# Altium PCB Main_PCB.PcbDoc (part 8 of 13) (continued)
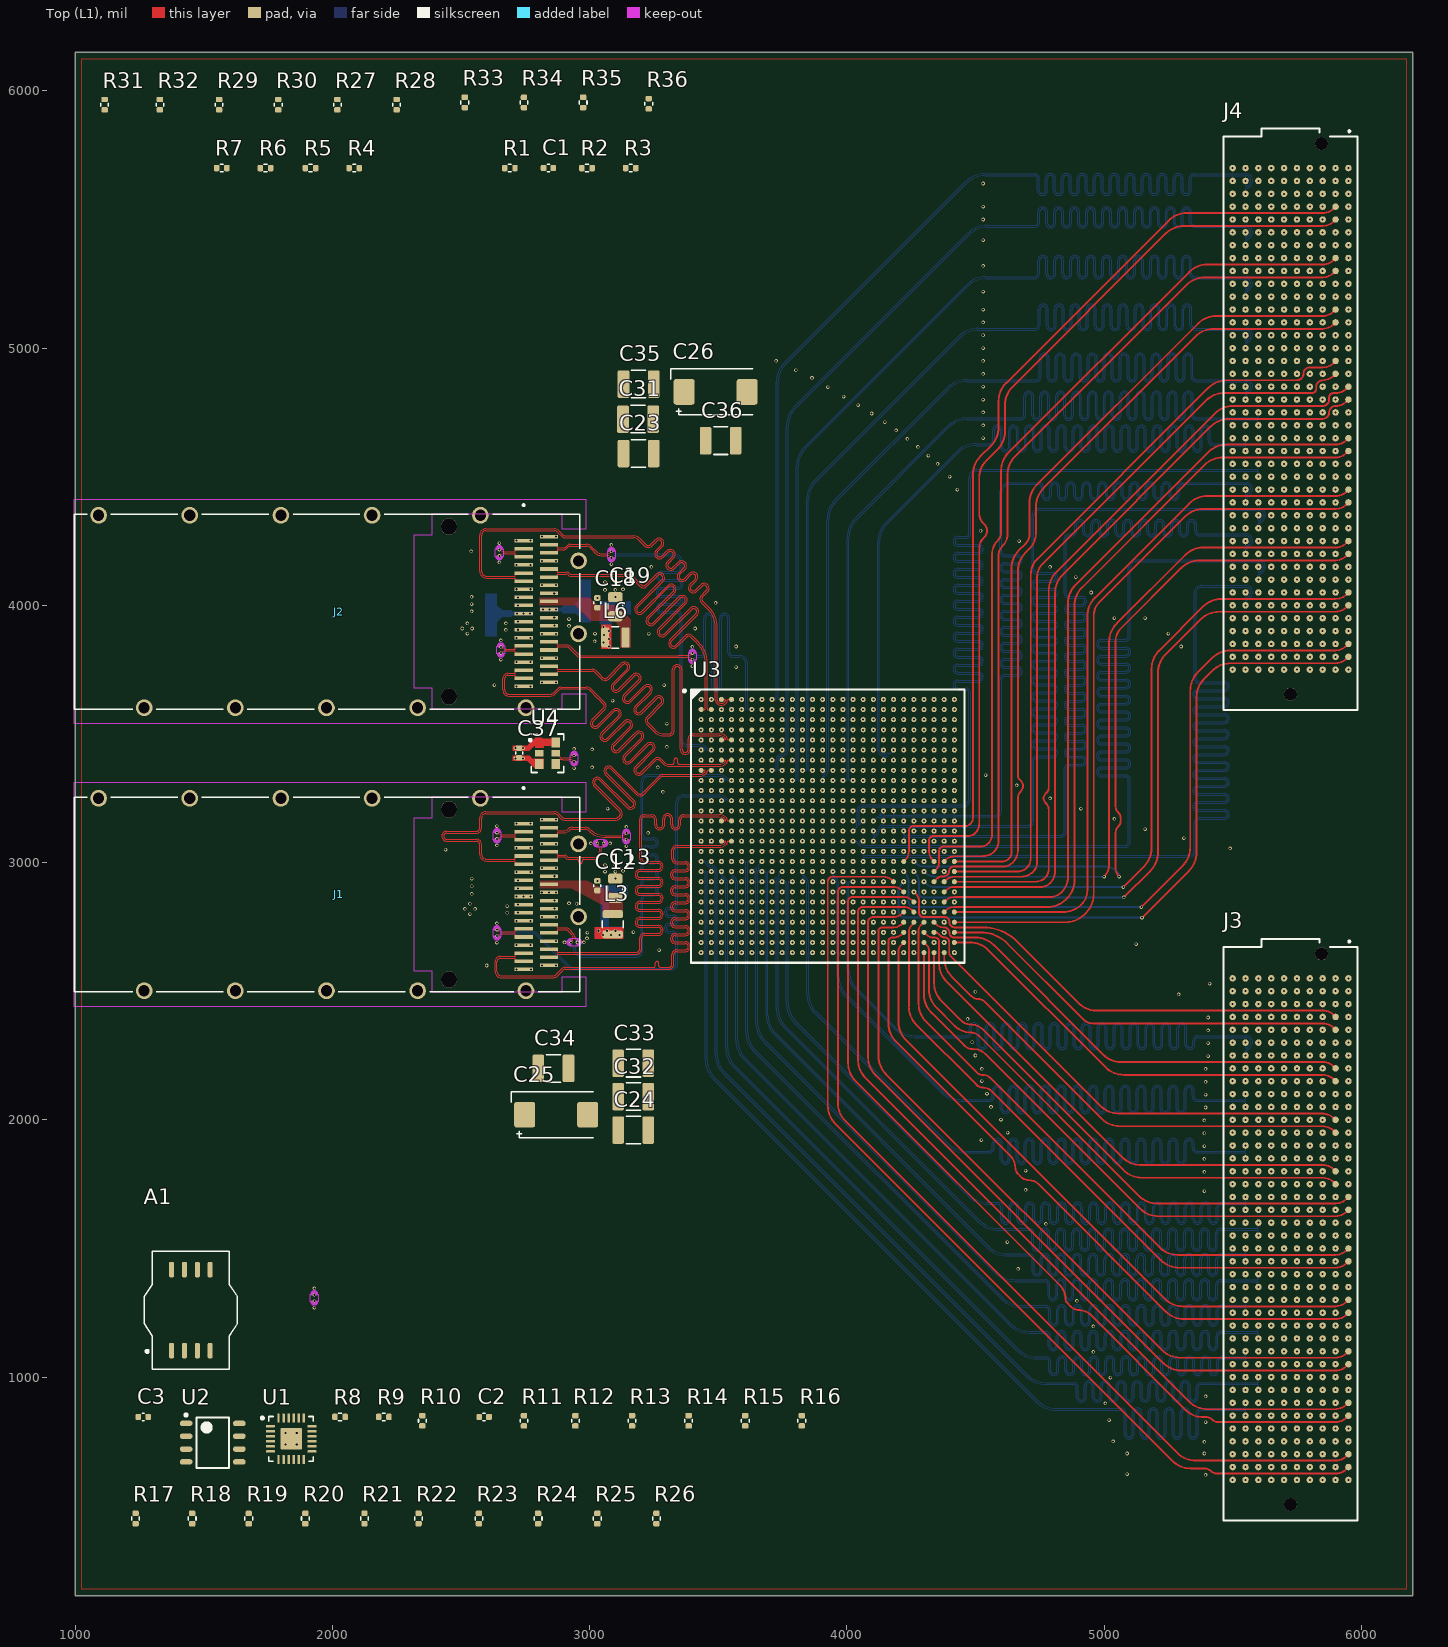
[diagram p0: Top (L1) view]
## Nets (pads, with @x,y where several pads share a name; then routed paths per layer and width w, separated by ;. In a path a pad name is that pad's centre, name@x,y a point inside that pad or via, vN(x,y) a via of type N, cw(c..) or ccw(c..) an arc to the next point about the centre after c; other vN are vias at no path point) (continued)
HPCC_B_16_P: J4.D4 U3.B10 | length 3970.5
  Int2 (L3) w3.5: v1(3788.19,3594.88) 3788.19,3607.32 cw(c3791.69,3607.32) 3789.21,3609.79 cw(c3791.69,3607.32) 3791.69,3610.82 ; 3791.73,3610.82 ccw(c3791.73,3621.72) 3799.44,3614.01 3805.91,3620.48 ccw(c3792.41,3633.98) 3811.5,3633.98 3811.5,3655 ccw(c3808.36,3658.14) 3812.8,3658.14 3812.8,4836.38 cw(c3912.8,4836.38) 3842.09,4907.09 4475.71,5540.71 cw(c4546.42,5470) 4546.42,5570 4883.88,5570 4967.37,5570 ccw(c4967.37,5590.55) 4987.92,5590.55 4987.92,5611.76 cw(c4999.67,5611.76) 5011.42,5611.76 5011.42,5588.88 ccw(c5031.97,5588.88) 5052.52,5588.88 5052.52,5611.76 cw(c5064.27,5611.76) 5076.02,5611.76 5076.02,5588.88 ccw(c5096.57,5588.88) 5117.12,5588.88 5117.12,5611.76 cw(c5128.87,5611.76) 5140.62,5611.76 5140.62,5588.88 ccw(c5161.17,5588.88) 5181.72,5588.88 5181.72,5611.76 cw(c5193.47,5611.76) 5205.22,5611.76 5205.22,5590.55 ccw(c5225.77,5590.55) 5225.77,5570 5264.22,5570 5802.93,5570 cw(c5802.93,5552.93) 5815,5565 cw(c5802.93,5552.93) 5820,5552.93 5820,5550 cw(c5804.66,5550) 5815.51,5539.15 5807.34,5530.99 cw(c5803.5,5534.84) 5803.5,5529.4 cw(c5803.5,5532.9) 5801.03,5530.43 cw(c5803.5,5532.9) 5800,5532.9 v1(5800,5550)
HPCC_B_17_N: J4.D9 U3.A12 | length 3986.4
  Int2 (L3) w3.5: v1(3866.93,3634.25) 3879.36,3634.25 ccw(c3879.36,3637.75) 3881.84,3635.28 ccw(c3879.36,3637.75) 3882.86,3637.75 3882.86,4715.24 cw(c3991.66,4715.24) 3914.73,4792.18 4469.49,5346.93 cw(c4546.42,5270) 4546.42,5378.8 4854.57,5378.8 4860.72,5378.8 ccw(c4860.72,5390.55) 4872.47,5390.55 4872.47,5410.8 cw(c4893.02,5410.8) 4913.57,5410.8 4913.57,5388.09 ccw(c4925.32,5388.09) 4937.07,5388.09 4937.07,5410.8 cw(c4957.62,5410.8) 4978.17,5410.8 4978.17,5388.09 ccw(c4989.92,5388.09) 5001.67,5388.09 5001.67,5410.8 cw(c5022.22,5410.8) 5042.77,5410.8 5042.77,5388.09 ccw(c5054.52,5388.09) 5066.27,5388.09 5066.27,5410.8 cw(c5086.82,5410.8) 5107.37,5410.8 5107.37,5388.09 ccw(c5119.12,5388.09) 5130.87,5388.09 5130.87,5410.8 cw(c5151.42,5410.8) 5171.97,5410.8 5171.97,5388.09 ccw(c5183.72,5388.09) 5195.47,5388.09 5195.47,5410.8 cw(c5216.02,5410.8) 5236.57,5410.8 5236.57,5388.09 ccw(c5248.32,5388.09) 5260.07,5388.09 5260.07,5410.8 cw(c5280.62,5410.8) 5301.17,5410.8 5301.17,5390.55 ccw(c5312.92,5390.55) 5312.92,5378.8 5346,5378.8 5802.93,5378.8 cw(c5802.93,5352.93) 5821.22,5371.22 cw(c5802.93,5352.93) 5828.8,5352.93 5828.8,5350 cw(c5804.66,5350) 5821.73,5332.93 5813.56,5324.76 cw(c5803.5,5334.84) 5803.5,5320.6 ccw(c5803.5,5317.1) 5801.03,5319.57 ccw(c5803.5,5317.1) 5800,5317.1 v1(5800,5300)
HPCC_B_17_P: J4.D8 U3.A13 | length 3975.4
  Int2 (L3) w3.5: v1(3906.3,3634.25) 3893.86,3634.25 cw(c3893.86,3637.75) 3891.39,3635.28 cw(c3893.86,3637.75) 3890.36,3637.75 3890.36,3655 ccw(c3887.23,3658.14) 3891.66,3658.14 3891.66,4715.24 cw(c3991.66,4715.24) 3920.95,4785.95 4475.71,5340.71 cw(c4546.42,5270) 4546.42,5370 4794.48,5370 4809.73,5370 cw(c4809.73,5363.25) 4816.48,5363.25 4816.48,5355.91 ccw(c4823.23,5355.91) 4829.98,5355.91 4829.98,5363.25 cw(c4836.73,5363.25) 4836.73,5370 4850.88,5370 4854.57,5370 4860.72,5370 ccw(c4860.72,5390.55) 4881.27,5390.55 4881.27,5410.8 cw(c4893.02,5410.8) 4904.77,5410.8 4904.77,5388.09 ccw(c4925.32,5388.09) 4945.87,5388.09 4945.87,5410.8 cw(c4957.62,5410.8) 4969.37,5410.8 4969.37,5388.09 ccw(c4989.92,5388.09) 5010.47,5388.09 5010.47,5410.8 cw(c5022.22,5410.8) 5033.97,5410.8 5033.97,5388.09 ccw(c5054.52,5388.09) 5075.07,5388.09 5075.07,5410.8 cw(c5086.82,5410.8) 5098.57,5410.8 5098.57,5388.09 ccw(c5119.12,5388.09) 5139.67,5388.09 5139.67,5410.8 cw(c5151.42,5410.8) 5163.17,5410.8 5163.17,5388.09 ccw(c5183.72,5388.09) 5204.27,5388.09 5204.27,5410.8 cw(c5216.02,5410.8) 5227.77,5410.8 5227.77,5388.09 ccw(c5248.32,5388.09) 5268.87,5388.09 5268.87,5410.8 cw(c5280.62,5410.8) 5292.37,5410.8 5292.37,5390.55 ccw(c5312.92,5390.55) 5312.92,5370 5346,5370 5802.93,5370 cw(c5802.93,5352.93) 5815,5365 cw(c5802.93,5352.93) 5820,5352.93 5820,5350 cw(c5804.66,5350) 5815.51,5339.15 5807.34,5330.99 cw(c5803.5,5334.84) 5803.5,5329.4 cw(c5803.5,5332.9) 5801.03,5330.43 cw(c5803.5,5332.9) 5800,5332.9 v1(5800,5350)
HPCC_B_18_N: J4.D13 U3.A14 | length 3983.8
  Int2 (L3) w3.5: v1(3945.67,3634.25) 3945.67,3621.82 ccw(c3949.17,3621.82) 3946.69,3619.34 ccw(c3949.17,3621.82) 3949.17,3618.32 ccw(c3949.17,3623.5) 3952.84,3619.84 3956,3623 ccw(c3946.34,3632.66) 3960,3632.66 3960,4612.38 cw(c4068.8,4612.38) 3991.87,4689.31 4449.49,5146.93 cw(c4526.42,5070) 4526.42,5178.8 4790.89,5178.8 4797.04,5178.8 ccw(c4797.04,5190.55) 4808.79,5190.55 4808.79,5218.33 cw(c4829.34,5218.33) 4849.89,5218.33 4849.89,5188.77 ccw(c4861.64,5188.77) 4873.39,5188.77 4873.39,5218.33 cw(c4893.94,5218.33) 4914.49,5218.33 4914.49,5188.77 ccw(c4926.24,5188.77) 4937.99,5188.77 4937.99,5218.33 cw(c4958.54,5218.33) 4979.09,5218.33 4979.09,5188.77 ccw(c4990.84,5188.77) 5002.59,5188.77 5002.59,5218.33 cw(c5023.14,5218.33) 5043.69,5218.33 5043.69,5188.77 ccw(c5055.44,5188.77) 5067.19,5188.77 5067.19,5218.33 cw(c5087.74,5218.33) 5108.29,5218.33 5108.29,5188.77 ccw(c5120.04,5188.77) 5131.79,5188.77 5131.79,5218.33 cw(c5152.34,5218.33) 5172.89,5218.33 5172.89,5188.77 ccw(c5184.64,5188.77) 5196.39,5188.77 5196.39,5218.33 cw(c5216.94,5218.33) 5237.49,5218.33 5237.49,5188.77 ccw(c5249.24,5188.77) 5260.99,5188.77 5260.99,5218.33 cw(c5281.54,5218.33) 5302.09,5218.33 5302.09,5190.55 ccw(c5313.84,5190.55) 5313.84,5178.8 5336.28,5178.8 5802.93,5178.8 cw(c5802.93,5152.93) 5821.22,5171.22 cw(c5802.93,5152.93) 5828.8,5152.93 5828.8,5150 cw(c5804.66,5150) 5821.73,5132.93 5813.56,5124.76 cw(c5803.5,5134.84) 5803.5,5120.6 ccw(c5803.5,5117.1) 5801.03,5119.57 ccw(c5803.5,5117.1) 5800,5117.1 v1(5800,5100)
HPCC_B_18_P: J4.D12 U3.B14 | length 3954.4
  Int2 (L3) w3.5: v1(3945.67,3594.88) 3945.67,3607.32 cw(c3949.17,3607.32) 3946.69,3609.79 cw(c3949.17,3607.32) 3949.17,3610.82 ; 3949.21,3610.82 ccw(c3949.21,3623.4) 3958.11,3614.5 3961.34,3617.73 ccw(c3946.47,3632.61) 3967.5,3632.61 3967.5,3655 ccw(c3964.36,3658.14) 3968.8,3658.14 3968.8,4612.38 cw(c4068.8,4612.38) 3998.09,4683.09 4455.71,5140.71 cw(c4526.42,5070) 4526.42,5170 4790.89,5170 4797.04,5170 ccw(c4797.04,5190.55) 4817.59,5190.55 4817.59,5218.33 cw(c4829.34,5218.33) 4841.09,5218.33 4841.09,5188.77 ccw(c4861.64,5188.77) 4882.19,5188.77 4882.19,5218.33 cw(c4893.94,5218.33) 4905.69,5218.33 4905.69,5188.77 ccw(c4926.24,5188.77) 4946.79,5188.77 4946.79,5218.33 cw(c4958.54,5218.33) 4970.29,5218.33 4970.29,5188.77 ccw(c4990.84,5188.77) 5011.39,5188.77 5011.39,5218.33 cw(c5023.14,5218.33) 5034.89,5218.33 5034.89,5188.77 ccw(c5055.44,5188.77) 5075.99,5188.77 5075.99,5218.33 cw(c5087.74,5218.33) 5099.49,5218.33 5099.49,5188.77 ccw(c5120.04,5188.77) 5140.59,5188.77 5140.59,5218.33 cw(c5152.34,5218.33) 5164.09,5218.33 5164.09,5188.77 ccw(c5184.64,5188.77) 5205.19,5188.77 5205.19,5218.33 cw(c5216.94,5218.33) 5228.69,5218.33 5228.69,5188.77 ccw(c5249.24,5188.77) 5269.79,5188.77 5269.79,5218.33 cw(c5281.54,5218.33) 5293.29,5218.33 5293.29,5190.55 ccw(c5313.84,5190.55) 5313.84,5170 5336.28,5170 5802.93,5170 cw(c5802.93,5152.93) 5815,5165 cw(c5802.93,5152.93) 5820,5152.93 5820,5150 cw(c5804.66,5150) 5815.51,5139.15 5807.34,5130.99 cw(c5803.5,5134.84) 5803.5,5129.4 cw(c5803.5,5132.9) 5801.03,5130.43 cw(c5803.5,5132.9) 5800,5132.9 v1(5800,5150)
HPCC_B_19_N: J4.D17 U3.B16 | length 3995.9
  Int2 (L3) w3.5: v1(4024.41,3594.88) 4024.41,3582.45 ccw(c4027.91,3582.45) 4025.43,3579.97 ccw(c4027.91,3582.45) 4027.91,3578.95 ccw(c4027.91,3582.45) 4030.38,3579.97 ccw(c4007.17,3603.19) 4040,3603.19 4040,3632.04 cw(c4051,3631.98) 4040.04,3632.89 ccw(c4024.41,3634.25) 4040.04,3635.62 cw(c4051,3636.52) 4040,3636.46 4040,4527.38 cw(c4148.8,4527.38) 4071.87,4604.31 4414.49,4946.93 cw(c4491.42,4870) 4491.42,4978.8 4727.81,4978.8 4733.96,4978.8 ccw(c4733.96,4990.55) 4745.71,4990.55 4745.71,5024.23 cw(c4766.26,5024.23) 4786.81,5024.23 4786.81,4989.87 ccw(c4798.56,4989.87) 4810.31,4989.87 4810.31,5024.23 cw(c4830.86,5024.23) 4851.41,5024.23 4851.41,4989.87 ccw(c4863.16,4989.87) 4874.91,4989.87 4874.91,5024.23 cw(c4895.46,5024.23) 4916.01,5024.23 4916.01,4989.87 ccw(c4927.76,4989.87) 4939.51,4989.87 4939.51,5024.23 cw(c4960.06,5024.23) 4980.61,5024.23 4980.61,4989.87 ccw(c4992.36,4989.87) 5004.11,4989.87 5004.11,5024.23 cw(c5024.66,5024.23) 5045.21,5024.23 5045.21,4989.87 ccw(c5056.96,4989.87) 5068.71,4989.87 5068.71,5024.23 cw(c5089.26,5024.23) 5109.81,5024.23 5109.81,4989.87 ccw(c5121.56,4989.87) 5133.31,4989.87 5133.31,5024.23 cw(c5153.86,5024.23) 5174.41,5024.23 5174.41,4989.87 ccw(c5186.16,4989.87) 5197.91,4989.87 5197.91,5024.23 cw(c5218.46,5024.23) 5239.01,5024.23 5239.01,4989.87 ccw(c5250.76,4989.87) 5262.51,4989.87 5262.51,5024.23 cw(c5283.06,5024.23) 5303.61,5024.23 5303.61,4990.55 ccw(c5315.36,4990.55) 5315.36,4978.8 5348,4978.8 5802.93,4978.8 cw(c5802.93,4952.93) 5821.22,4971.22 cw(c5802.93,4952.93) 5828.8,4952.93 5828.8,4949.1 cw(c5798.02,4949.1) 5819.79,4927.35 cw(c5803.5,4943.64) 5803.5,4920.6 ccw(c5803.5,4917.1) 5801.03,4919.57 ccw(c5803.5,4917.1) 5800,4917.1 v1(5800,4900)
HPCC_B_19_P: J4.D16 U3.C16 | length 3966.6
  Int2 (L3) w3.5: v1(4024.41,3555.51) 4024.41,3567.95 cw(c4027.91,3567.95) 4025.43,3570.42 cw(c4027.91,3567.95) 4027.91,3571.45 ; 4027.95,3571.45 ccw(c4027.95,3582.35) 4035.66,3574.64 4035.7,3574.68 ccw(c4007.22,3603.16) 4047.5,3603.16 ; 4047.5,3603.18 4047.5,3632.01 cw(c4051,3631.98) 4047.51,3632.26 ccw(c4024.41,3634.25) 4047.51,3636.25 cw(c4051,3636.52) 4047.5,3636.49 4047.5,3655 ccw(c4044.36,3658.14) 4048.8,3658.14 4048.8,4527.38 cw(c4148.8,4527.38) 4078.09,4598.09 4420.71,4940.71 cw(c4491.42,4870) 4491.42,4970 4727.81,4970 4733.96,4970 ccw(c4733.96,4990.55) 4754.51,4990.55 4754.51,5024.23 cw(c4766.26,5024.23) 4778.01,5024.23 4778.01,4989.87 ccw(c4798.56,4989.87) 4819.11,4989.87 4819.11,5024.23 cw(c4830.86,5024.23) 4842.61,5024.23 4842.61,4989.87 ccw(c4863.16,4989.87) 4883.71,4989.87 4883.71,5024.23 cw(c4895.46,5024.23) 4907.21,5024.23 4907.21,4989.87 ccw(c4927.76,4989.87) 4948.31,4989.87 4948.31,5024.23 cw(c4960.06,5024.23) 4971.81,5024.23 4971.81,4989.87 ccw(c4992.36,4989.87) 5012.91,4989.87 5012.91,5024.23 cw(c5024.66,5024.23) 5036.41,5024.23 5036.41,4989.87 ccw(c5056.96,4989.87) 5077.51,4989.87 5077.51,5024.23 cw(c5089.26,5024.23) 5101.01,5024.23 5101.01,4989.87 ccw(c5121.56,4989.87) 5142.11,4989.87 5142.11,5024.23 cw(c5153.86,5024.23) 5165.61,5024.23 5165.61,4989.87 ccw(c5186.16,4989.87) 5206.71,4989.87 5206.71,5024.23 cw(c5218.46,5024.23) 5230.21,5024.23 5230.21,4989.87 ccw(c5250.76,4989.87) 5271.31,4989.87 5271.31,5024.23 cw(c5283.06,5024.23) 5294.81,5024.23 5294.81,4990.55 ccw(c5315.36,4990.55) 5315.36,4970 5348,4970 5802.93,4970 cw(c5802.93,4952.93) 5815,4965 cw(c5802.93,4952.93) 5820,4952.93 5820,4949.1 cw(c5798.02,4949.1) 5813.57,4933.57 cw(c5803.5,4943.64) 5803.5,4929.4 cw(c5803.5,4932.9) 5801.03,4930.43 cw(c5803.5,4932.9) 5800,4932.9 v1(5800,4950)
HPCC_B_20_N: J4.D21 U3.D18 | length 3868.3
  Int7 (L8) w3.5: v1(4103.15,3516.14) 4103.15,3503.71 ccw(c4106.65,3503.71) 4104.17,3501.23 ccw(c4106.65,3503.71) 4106.65,3500.21 ccw(c4106.65,3503.71) 4109.12,3501.23 ccw(c4085.28,3525.07) 4119,3525.07 4119,4456.38 cw(c4227.8,4456.38) 4150.87,4533.31 4364.49,4746.93 cw(c4441.42,4670) 4441.42,4778.8 4537.5,4778.8 4575.95,4778.8 cw(c4575.95,4758.25) 4596.5,4758.25 4596.5,4733.29 ccw(c4608.25,4733.29) 4620,4733.29 4620,4762.66 cw(c4640.55,4762.66) 4661.1,4762.66 4661.1,4733.29 ccw(c4672.85,4733.29) 4684.6,4733.29 4684.6,4762.66 cw(c4705.15,4762.66) 4725.7,4762.66 4725.7,4733.29 ccw(c4737.45,4733.29) 4749.2,4733.29 4749.2,4762.66 cw(c4769.75,4762.66) 4790.3,4762.66 4790.3,4733.29 ccw(c4802.05,4733.29) 4813.8,4733.29 4813.8,4762.66 cw(c4834.35,4762.66) 4854.9,4762.66 4854.9,4733.29 ccw(c4866.65,4733.29) 4878.4,4733.29 4878.4,4762.66 cw(c4898.95,4762.66) 4919.5,4762.66 4919.5,4733.29 ccw(c4931.25,4733.29) 4943,4733.29 4943,4762.66 cw(c4963.55,4762.66) 4984.1,4762.66 4984.1,4733.29 ccw(c4995.85,4733.29) 5007.6,4733.29 5007.6,4762.66 cw(c5028.15,4762.66) 5048.7,4762.66 5048.7,4733.29 ccw(c5060.45,4733.29) 5072.2,4733.29 5072.2,4762.66 cw(c5092.75,4762.66) 5113.3,4762.66 5113.3,4733.29 ccw(c5125.05,4733.29) 5136.8,4733.29 5136.8,4762.66 cw(c5157.35,4762.66) 5177.9,4762.66 5177.9,4733.29 ccw(c5189.65,4733.29) 5201.4,4733.29 5201.4,4758.25 cw(c5221.95,4758.25) 5221.95,4778.8 5276.11,4778.8 5802.93,4778.8 cw(c5802.93,4752.93) 5821.22,4771.22 cw(c5802.93,4752.93) 5828.8,4752.93 5828.8,4750 cw(c5804.66,4750) 5821.73,4732.93 5813.56,4724.76 cw(c5803.5,4734.84) 5803.5,4720.6 ccw(c5803.5,4717.1) 5801.03,4719.57 ccw(c5803.5,4717.1) 5800,4717.1 v1(5800,4700)
HPCC_B_20_P: J4.D20 U3.E18 | length 3839
  Int7 (L8) w3.5: v1(4103.15,3476.77) 4103.15,3489.21 cw(c4106.65,3489.21) 4104.17,3491.68 cw(c4106.65,3489.21) 4106.65,3492.71 ; 4106.69,3492.71 ccw(c4106.69,3503.61) 4114.4,3495.9 4114.48,3495.98 ccw(c4085.47,3525) 4126.5,3525 4126.5,3655 ccw(c4123.36,3658.14) 4127.8,3658.14 4127.8,4456.38 cw(c4227.8,4456.38) 4157.09,4527.09 4370.71,4740.71 cw(c4441.42,4670) 4441.42,4770 4537.5,4770 4575.95,4770 cw(c4575.95,4758.25) 4587.7,4758.25 4587.7,4733.29 ccw(c4608.25,4733.29) 4628.8,4733.29 4628.8,4762.66 cw(c4640.55,4762.66) 4652.3,4762.66 4652.3,4733.29 ccw(c4672.85,4733.29) 4693.4,4733.29 4693.4,4762.66 cw(c4705.15,4762.66) 4716.9,4762.66 4716.9,4733.29 ccw(c4737.45,4733.29) 4758,4733.29 4758,4762.66 cw(c4769.75,4762.66) 4781.5,4762.66 4781.5,4733.29 ccw(c4802.05,4733.29) 4822.6,4733.29 4822.6,4762.66 cw(c4834.35,4762.66) 4846.1,4762.66 4846.1,4733.29 ccw(c4866.65,4733.29) 4887.2,4733.29 4887.2,4762.66 cw(c4898.95,4762.66) 4910.7,4762.66 4910.7,4733.29 ccw(c4931.25,4733.29) 4951.8,4733.29 4951.8,4762.66 cw(c4963.55,4762.66) 4975.3,4762.66 4975.3,4733.29 ccw(c4995.85,4733.29) 5016.4,4733.29 5016.4,4762.66 cw(c5028.15,4762.66) 5039.9,4762.66 5039.9,4733.29 ccw(c5060.45,4733.29) 5081,4733.29 5081,4762.66 cw(c5092.75,4762.66) 5104.5,4762.66 5104.5,4733.29 ccw(c5125.05,4733.29) 5145.6,4733.29 5145.6,4762.66 cw(c5157.35,4762.66) 5169.1,4762.66 5169.1,4733.29 ccw(c5189.65,4733.29) 5210.2,4733.29 5210.2,4758.25 cw(c5221.95,4758.25) 5221.95,4770 5276.11,4770 5802.93,4770 cw(c5802.93,4752.93) 5815,4765 cw(c5802.93,4752.93) 5820,4752.93 5820,4750 cw(c5804.66,4750) 5815.51,4739.15 5807.34,4730.99 cw(c5803.5,4734.84) 5803.5,4729.4 cw(c5803.5,4732.9) 5801.03,4730.43 cw(c5803.5,4732.9) 5800,4732.9 v1(5800,4750)
HPCC_B_21_N: J4.D25 U3.J19 | length 3841.7
  Int7 (L8) w3.5: v1(4142.52,3319.29) 4130.08,3319.29 cw(c4130.08,3322.79) 4127.61,3320.32 cw(c4130.08,3322.79) 4126.58,3322.79 cw(c4130.08,3322.79) 4127.61,3325.27 cw(c4151.11,3301.77) 4151.11,3335 4435.03,3335 ccw(c4435.03,3364.97) 4456.22,3343.78 ccw(c4437.93,3362.07) 4463.8,3362.07 4463.8,3717.16 4463.8,3751.65 cw(c4475.55,3751.65) 4475.55,3763.4 4497.38,3763.4 ccw(c4497.38,3783.95) 4497.38,3804.5 4441.76,3804.5 cw(c4441.76,3816.25) 4441.76,3828 4497.38,3828 ccw(c4497.38,3848.55) 4497.38,3869.1 4441.76,3869.1 cw(c4441.76,3880.85) 4441.76,3892.6 4497.38,3892.6 ccw(c4497.38,3913.15) 4497.38,3933.7 4441.76,3933.7 cw(c4441.76,3945.45) 4441.76,3957.2 4497.38,3957.2 ccw(c4497.38,3977.75) 4497.38,3998.3 4441.76,3998.3 cw(c4441.76,4010.05) 4441.76,4021.8 4497.38,4021.8 ccw(c4497.38,4042.35) 4497.38,4062.9 4441.76,4062.9 cw(c4441.76,4074.65) 4441.76,4086.4 4497.38,4086.4 ccw(c4497.38,4106.95) 4497.38,4127.5 4441.76,4127.5 cw(c4441.76,4139.25) 4441.76,4151 4497.38,4151 ccw(c4497.38,4171.55) 4497.38,4192.1 4475.55,4192.1 cw(c4475.55,4203.85) 4463.8,4203.85 4463.8,4210 4463.8,4482.96 cw(c4502.04,4482.96) 4475,4510 cw(c4500.59,4484.41) 4500.59,4520.6 5796.5,4520.6 cw(c5796.5,4517.1) 5798.97,4519.57 cw(c5796.5,4517.1) 5800,4517.1 v1(5800,4500)
HPCC_B_21_P: J4.D24 U3.J18 | length 3854.2
  Int7 (L8) w3.5: v1(4103.15,3319.29) 4115.58,3319.29 ccw(c4115.58,3322.79) 4118.06,3320.32 ccw(c4115.58,3322.79) 4119.08,3322.79 ; 4119.08,3322.83 cw(c4129.99,3322.83) 4122.28,3330.54 4122.32,3330.58 cw(c4151.09,3301.82) 4151.09,3342.5 4435,3342.5 cw(c4438.14,3339.36) 4438.14,3343.8 ccw(c4438.14,3357.47) 4447.8,3347.8 4450,3350 ccw(c4437.93,3362.07) 4455,3362.07 4455,3717.16 4455,3751.65 cw(c4475.55,3751.65) 4475.55,3772.2 4497.38,3772.2 ccw(c4497.38,3783.95) 4497.38,3795.7 4441.76,3795.7 cw(c4441.76,3816.25) 4441.76,3836.8 4497.38,3836.8 ccw(c4497.38,3848.55) 4497.38,3860.3 4441.76,3860.3 cw(c4441.76,3880.85) 4441.76,3901.4 4497.38,3901.4 ccw(c4497.38,3913.15) 4497.38,3924.9 4441.76,3924.9 cw(c4441.76,3945.45) 4441.76,3966 4497.38,3966 ccw(c4497.38,3977.75) 4497.38,3989.5 4441.76,3989.5 cw(c4441.76,4010.05) 4441.76,4030.6 4497.38,4030.6 ccw(c4497.38,4042.35) 4497.38,4054.1 4441.76,4054.1 cw(c4441.76,4074.65) 4441.76,4095.2 4497.38,4095.2 ccw(c4497.38,4106.95) 4497.38,4118.7 4441.76,4118.7 cw(c4441.76,4139.25) 4441.76,4159.8 4497.38,4159.8 ccw(c4497.38,4171.55) 4497.38,4183.3 4475.55,4183.3 cw(c4475.55,4203.85) 4455,4203.85 4455,4210 4455,4482.96 cw(c4502.04,4482.96) 4468.78,4516.22 cw(c4500.59,4484.41) 4500.59,4529.4 5796.5,4529.4 ccw(c5796.5,4532.9) 5798.97,4530.43 ccw(c5796.5,4532.9) 5800,4532.9 v1(5800,4550)
HPCC_B_22_N: J4.D29 U3.L20 | length 3837.3
  Int7 (L8) w3.5: v1(4181.89,3240.55) 4169.45,3240.55 cw(c4169.45,3244.05) 4166.98,3241.58 cw(c4169.45,3244.05) 4165.95,3244.05 cw(c4169.45,3244.05) 4166.98,3246.53 cw(c4192.27,3221.24) 4192.27,3257 4213,3257 4220.48,3256.75 ccw(c4221.26,3279.92) 4221.26,3256.73 4418.14,3256.73 ccw(c4418.11,3279.92) 4418.99,3256.75 4419.26,3256.76 ; 4419.29,3256.76 4427.84,3256.99 cw(c4427.93,3253.49) 4427.93,3256.99 4435,3257 4704.86,3257 ccw(c4704.86,3280.14) 4721.22,3263.78 ccw(c4702.93,3282.07) 4728.8,3282.07 4728.8,3557.28 4728.8,3563.43 ccw(c4708.25,3563.43) 4708.25,3583.98 4671.29,3583.98 cw(c4671.29,3595.73) 4671.29,3607.48 4708.77,3607.48 ccw(c4708.77,3628.03) 4708.77,3648.58 4671.29,3648.58 cw(c4671.29,3660.33) 4671.29,3672.08 4708.77,3672.08 ccw(c4708.77,3692.63) 4708.77,3713.18 4671.29,3713.18 cw(c4671.29,3724.93) 4671.29,3736.68 4708.77,3736.68 ccw(c4708.77,3757.23) 4708.77,3777.78 4671.29,3777.78 cw(c4671.29,3789.53) 4671.29,3801.28 4708.77,3801.28 ccw(c4708.77,3821.83) 4708.77,3842.38 4671.29,3842.38 cw(c4671.29,3854.13) 4671.29,3865.88 4708.77,3865.88 ccw(c4708.77,3886.43) 4708.77,3906.98 4671.29,3906.98 cw(c4671.29,3918.73) 4671.29,3930.48 4708.77,3930.48 ccw(c4708.77,3951.03) 4708.77,3971.58 4671.29,3971.58 cw(c4671.29,3983.33) 4671.29,3995.08 4708.77,3995.08 ccw(c4708.77,4015.63) 4708.77,4036.18 4671.29,4036.18 cw(c4671.29,4047.93) 4671.29,4059.68 4708.77,4059.68 ccw(c4708.77,4080.23) 4708.77,4100.78 4671.29,4100.78 cw(c4671.29,4112.53) 4671.29,4124.28 4708.77,4124.28 ccw(c4708.77,4144.83) 4708.77,4165.38 4671.29,4165.38 cw(c4671.29,4177.13) 4671.29,4188.88 4708.25,4188.88 ccw(c4708.25,4209.43) 4728.8,4209.43 4728.8,4257.12 4728.8,4300.03 cw(c4749.97,4300.03) 4735,4315 cw(c4748.52,4301.48) 4748.52,4320.6 5796.5,4320.6 cw(c5796.5,4317.1) 5798.97,4319.57 cw(c5796.5,4317.1) 5800,4317.1 v1(5800,4300)
HPCC_B_22_P: J4.D28 U3.L19 | length 3849.4
  Int7 (L8) w3.5: v1(4142.52,3240.55) 4154.95,3240.55 ccw(c4154.95,3244.05) 4157.43,3241.58 ccw(c4154.95,3244.05) 4158.45,3244.05 ; 4158.45,3244.09 cw(c4169.36,3244.09) 4161.65,3251.8 4161.69,3251.84 cw(c4192.24,3221.29) 4192.24,3264.5 4213,3264.5 cw(c4213,3257) 4213.28,3264.49 4220.73,3264.24 ccw(c4221.26,3279.92) 4221.26,3264.23 4418.13,3264.23 ccw(c4418.11,3279.92) 4418.73,3264.25 4419.03,3264.26 cw(c4419.38,3253.26) 4419.08,3264.26 4427.63,3264.49 cw(c4427.93,3253.49) 4427.92,3264.49 4435,3264.5 cw(c4438.14,3261.36) 4438.14,3265.8 4704.86,3265.8 ccw(c4704.86,3280.14) 4715,3270 ccw(c4702.93,3282.07) 4720,3282.07 4720,3557.28 4720,3563.43 ccw(c4708.25,3563.43) 4708.25,3575.18 4671.29,3575.18 cw(c4671.29,3595.73) 4671.29,3616.28 4708.77,3616.28 ccw(c4708.77,3628.03) 4708.77,3639.78 4671.29,3639.78 cw(c4671.29,3660.33) 4671.29,3680.88 4708.77,3680.88 ccw(c4708.77,3692.63) 4708.77,3704.38 4671.29,3704.38 cw(c4671.29,3724.93) 4671.29,3745.48 4708.77,3745.48 ccw(c4708.77,3757.23) 4708.77,3768.98 4671.29,3768.98 cw(c4671.29,3789.53) 4671.29,3810.08 4708.77,3810.08 ccw(c4708.77,3821.83) 4708.77,3833.58 4671.29,3833.58 cw(c4671.29,3854.13) 4671.29,3874.68 4708.77,3874.68 ccw(c4708.77,3886.43) 4708.77,3898.18 4671.29,3898.18 cw(c4671.29,3918.73) 4671.29,3939.28 4708.77,3939.28 ccw(c4708.77,3951.03) 4708.77,3962.78 4671.29,3962.78 cw(c4671.29,3983.33) 4671.29,4003.88 4708.77,4003.88 ccw(c4708.77,4015.63) 4708.77,4027.38 4671.29,4027.38 cw(c4671.29,4047.93) 4671.29,4068.48 4708.77,4068.48 ccw(c4708.77,4080.23) 4708.77,4091.98 4671.29,4091.98 cw(c4671.29,4112.53) 4671.29,4133.08 4708.77,4133.08 ccw(c4708.77,4144.83) 4708.77,4156.58 4671.29,4156.58 cw(c4671.29,4177.13) 4671.29,4197.68 4708.25,4197.68 ccw(c4708.25,4209.43) 4720,4209.43 4720,4257.12 4720,4300.03 cw(c4749.97,4300.03) 4728.78,4321.22 cw(c4748.52,4301.48) 4748.52,4329.4 5796.5,4329.4 ccw(c5796.5,4332.9) 5798.97,4330.43 ccw(c5796.5,4332.9) 5800,4332.9 v1(5800,4350)
HPCC_B_23_N: J4.D33 U3.N23 | length 3863.7
  Int7 (L8) w3.5: v1(4300,3161.81) 4300,3149.38 ccw(c4303.5,3149.38) 4305.51,3146.51 4309.02,3148.97 ccw(c4300,3161.81) 4315.49,3159.33 4316.48,3165.48 cw(c4339.37,3161.81) 4339.39,3185 4377.66,3184.98 ccw(c4377.64,3188.48) 4377.75,3184.98 cw(c4378.74,3161.81) 4377.94,3184.98 4378.13,3184.99 cw(c4378.57,3174) 4378.57,3185 4952.93,3185 ccw(c4952.93,3202.07) 4965,3190 ccw(c4952.93,3202.07) 4970,3202.07 4970,3423 4970,3429.15 ccw(c4958.25,3429.15) 4958.25,3440.9 4909.88,3440.9 cw(c4909.88,3461.45) 4909.88,3482 4960.71,3482 ccw(c4960.71,3493.75) 4960.71,3505.5 4909.88,3505.5 cw(c4909.88,3526.05) 4909.88,3546.6 4960.71,3546.6 ccw(c4960.71,3558.35) 4960.71,3570.1 4909.88,3570.1 cw(c4909.88,3590.65) 4909.88,3611.2 4960.71,3611.2 ccw(c4960.71,3622.95) 4960.71,3634.7 4909.88,3634.7 cw(c4909.88,3655.25) 4909.88,3675.8 4960.71,3675.8 ccw(c4960.71,3687.55) 4960.71,3699.3 4909.88,3699.3 cw(c4909.88,3719.85) 4909.88,3740.4 4960.71,3740.4 ccw(c4960.71,3752.15) 4960.71,3763.9 4909.88,3763.9 cw(c4909.88,3784.45) 4909.88,3805 4960.71,3805 ccw(c4960.71,3816.75) 4960.71,3828.5 4909.88,3828.5 cw(c4909.88,3849.05) 4909.88,3869.6 4960.71,3869.6 ccw(c4960.71,3881.35) 4960.71,3893.1 4909.88,3893.1 cw(c4909.88,3913.65) 4909.88,3934.2 4960.71,3934.2 ccw(c4960.71,3945.95) 4960.71,3957.7 4909.88,3957.7 cw(c4909.88,3978.25) 4909.88,3998.8 4958.25,3998.8 ccw(c4958.25,4010.55) 4970,4010.55 4970,4053 4970,4150.03 cw(c4999.97,4150.03) 4978.78,4171.22 cw(c4997.07,4152.93) 4997.07,4178.8 5802.93,4178.8 cw(c5802.93,4152.93) 5821.22,4171.22 cw(c5802.93,4152.93) 5828.8,4152.93 5828.8,4150 cw(c5804.66,4150) 5821.73,4132.93 5813.56,4124.76 cw(c5803.5,4134.84) 5803.5,4120.6 ccw(c5803.5,4117.1) 5801.03,4119.57 ccw(c5803.5,4117.1) 5800,4117.1 v1(5800,4100)
HPCC_B_23_P: J4.D32 U3.P23 | length 3836.4
  Int7 (L8) w3.5: v1(4300,3122.44) 4300,3134.88 cw(c4303.5,3134.88) 4303.5,3138.38 ccw(c4303.5,3149.38) 4309.82,3140.38 4313.33,3142.84 ccw(c4300,3161.81) 4322.89,3158.14 4323.88,3164.29 cw(c4339.37,3161.81) 4339.38,3177.5 4377.68,3177.48 ccw(c4377.64,3188.48) 4378.05,3177.48 cw(c4378.74,3161.81) 4378.21,3177.49 4378.42,3177.5 cw(c4378.57,3174) 4378.57,3177.5 4435,3177.5 ccw(c4438.14,3180.64) 4438.14,3176.2 4952.93,3176.2 ccw(c4952.93,3202.07) 4971.22,3183.78 ccw(c4952.93,3202.07) 4978.8,3202.07 4978.8,3423 4978.8,3429.15 ccw(c4958.25,3429.15) 4958.25,3449.7 4909.88,3449.7 cw(c4909.88,3461.45) 4909.88,3473.2 4960.71,3473.2 ccw(c4960.71,3493.75) 4960.71,3514.3 4909.88,3514.3 cw(c4909.88,3526.05) 4909.88,3537.8 4960.71,3537.8 ccw(c4960.71,3558.35) 4960.71,3578.9 4909.88,3578.9 cw(c4909.88,3590.65) 4909.88,3602.4 4960.71,3602.4 ccw(c4960.71,3622.95) 4960.71,3643.5 4909.88,3643.5 cw(c4909.88,3655.25) 4909.88,3667 4960.71,3667 ccw(c4960.71,3687.55) 4960.71,3708.1 4909.88,3708.1 cw(c4909.88,3719.85) 4909.88,3731.6 4960.71,3731.6 ccw(c4960.71,3752.15) 4960.71,3772.7 4909.88,3772.7 cw(c4909.88,3784.45) 4909.88,3796.2 4960.71,3796.2 ccw(c4960.71,3816.75) 4960.71,3837.3 4909.88,3837.3 cw(c4909.88,3849.05) 4909.88,3860.8 4960.71,3860.8 ccw(c4960.71,3881.35) 4960.71,3901.9 4909.88,3901.9 cw(c4909.88,3913.65) 4909.88,3925.4 4960.71,3925.4 ccw(c4960.71,3945.95) 4960.71,3966.5 4909.88,3966.5 cw(c4909.88,3978.25) 4909.88,3990 4958.25,3990 ccw(c4958.25,4010.55) 4978.8,4010.55 4978.8,4053 4978.8,4150.03 cw(c4999.97,4150.03) 4985,4165 cw(c4997.07,4152.93) 4997.07,4170 5802.93,4170 cw(c5802.93,4152.93) 5815,4165 cw(c5802.93,4152.93) 5820,4152.93 5820,4150 cw(c5804.66,4150) 5815.51,4139.15 5807.34,4130.99 cw(c5803.5,4134.84) 5803.5,4129.4 cw(c5803.5,4132.9) 5801.03,4130.43 cw(c5803.5,4132.9) 5800,4132.9 v1(5800,4150)
HPCC_B_24_N: J4.D37 U3.R23 | length 3843.1
  Int7 (L8) w3.5: v1(4300,3083.07) 4287.56,3083.07 cw(c4287.56,3086.57) 4285.09,3084.1 cw(c4287.56,3086.57) 4284.07,3086.57 cw(c4287.56,3086.57) 4285.09,3089.05 cw(c4309.12,3065.01) 4309.12,3099 5200,3099 ccw(c5200,3126.63) 5219.54,3107.09 5221.22,3108.78 ; 5221.23,3108.78 ccw(c5202.93,3127.07) 5228.8,3127.07 5228.8,3293 5228.8,3299.15 ccw(c5208.25,3299.15) 5208.25,3319.7 5191.99,3319.7 cw(c5191.99,3331.45) 5191.99,3343.2 5250.12,3343.2 ccw(c5250.12,3363.75) 5250.12,3384.3 5191.99,3384.3 cw(c5191.99,3396.05) 5191.99,3407.8 5250.12,3407.8 ccw(c5250.12,3428.35) 5250.12,3448.9 5191.99,3448.9 cw(c5191.99,3460.65) 5191.99,3472.4 5250.12,3472.4 ccw(c5250.12,3492.95) 5250.12,3513.5 5191.99,3513.5 cw(c5191.99,3525.25) 5191.99,3537 5250.12,3537 ccw(c5250.12,3557.55) 5250.12,3578.1 5191.99,3578.1 cw(c5191.99,3589.85) 5191.99,3601.6 5250.12,3601.6 ccw(c5250.12,3622.15) 5250.12,3642.7 5191.99,3642.7 cw(c5191.99,3654.45) 5191.99,3666.2 5250.12,3666.2 ccw(c5250.12,3686.75) 5250.12,3707.3 5191.99,3707.3 cw(c5191.99,3719.05) 5191.99,3730.8 5208.25,3730.8 ccw(c5208.25,3751.35) 5228.8,3751.35 5228.8,3783 5228.8,3900.03 cw(c5249.97,3900.03) 5235,3915 cw(c5248.52,3901.48) 5248.52,3920.6 5250,3920.6 5256.15,3920.6 ccw(c5256.15,3941.15) 5276.7,3941.15 5276.7,4003.04 cw(c5288.45,4003.04) 5300.2,4003.04 5300.2,3937.37 ccw(c5320.75,3937.37) 5341.3,3937.37 5341.3,4003.04 cw(c5353.05,4003.04) 5364.8,4003.04 5364.8,3937.37 ccw(c5385.35,3937.37) 5405.9,3937.37 5405.9,4003.04 cw(c5417.65,4003.04) 5429.4,4003.04 5429.4,3941.15 ccw(c5449.95,3941.15) 5449.95,3920.6 5474.84,3920.6 5796.5,3920.6 cw(c5796.5,3917.1) 5798.97,3919.57 cw(c5796.5,3917.1) 5800,3917.1 v1(5800,3900)